# Allegro board RK_EVB1_RK3576_LP4XD200P132SD6_V12_20240530YWQ.brd (continued)
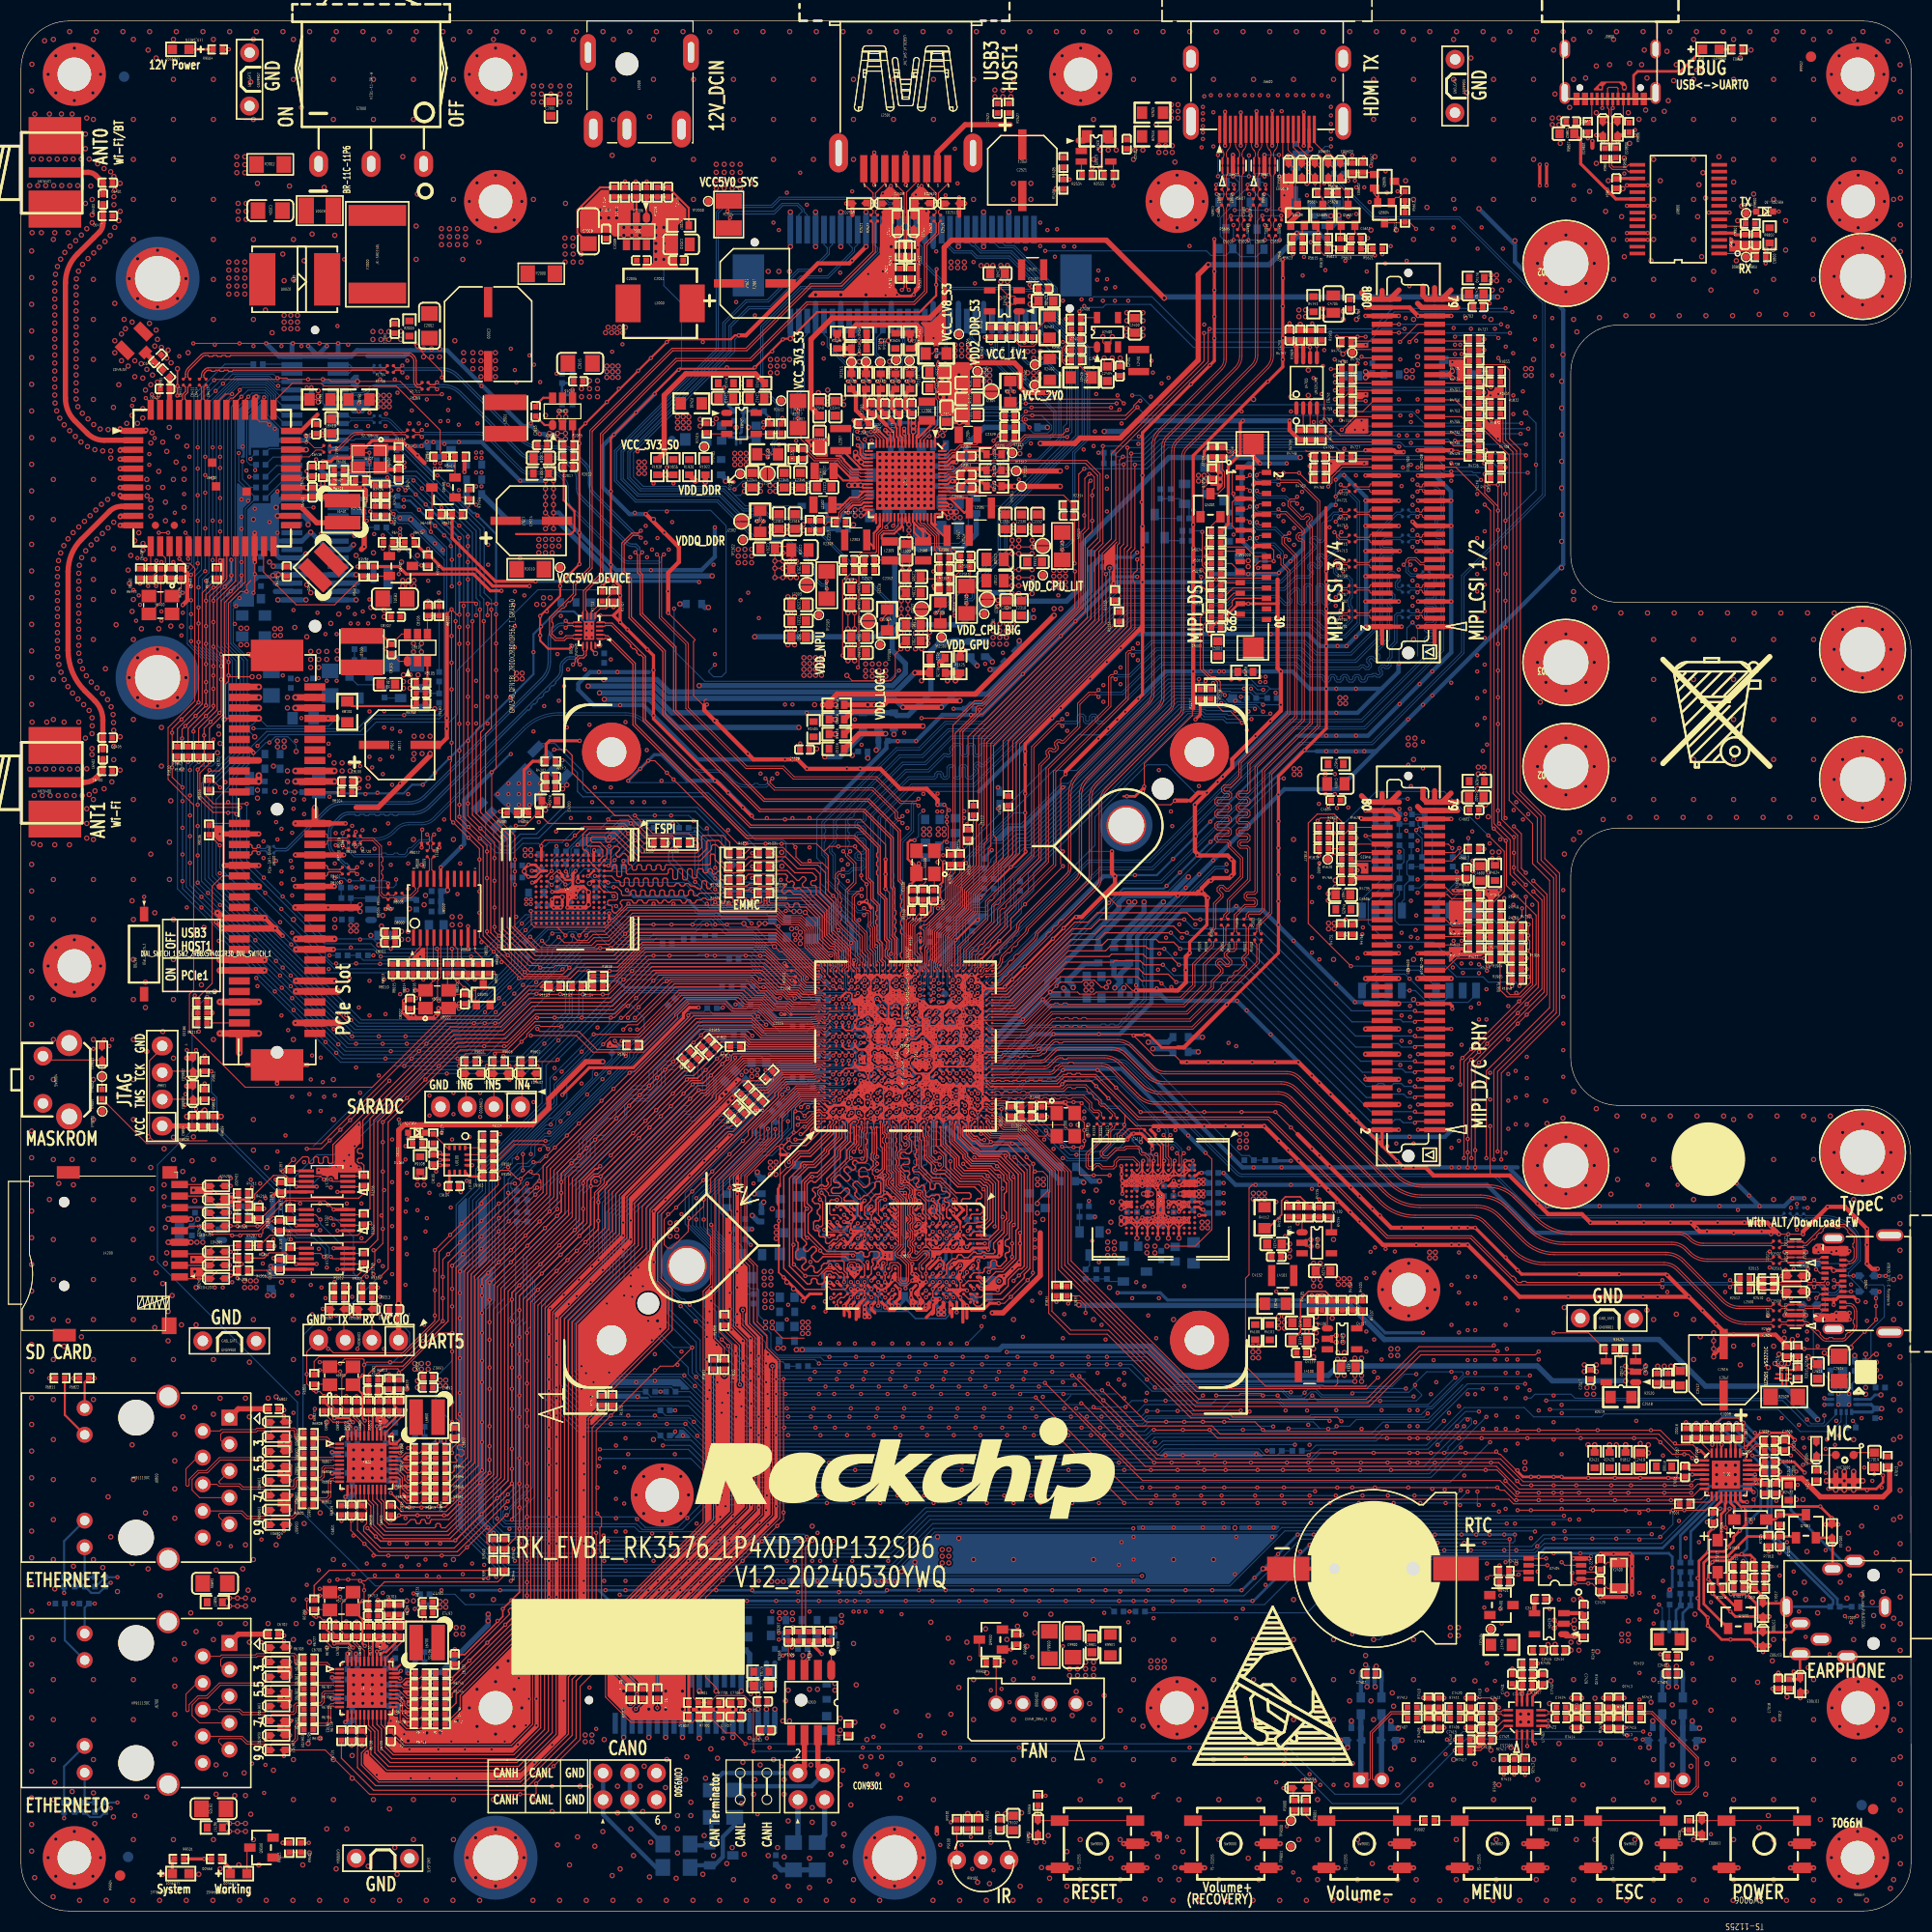
[diagram p0: board, top side]
## Nets (continued)
GND: ANT6400.2(G1) ANT6400.3(G2) ANT6400.4(G3) ANT6400.5(G4) ANT6401.2(G1) ANT6401.3(G2) ANT6401.4(G3) ANT6401.5(G4) ANT6402.2(GND1) ANT6402.3(GND2) C1000.2 C1001.2 C1002.2 C1003.2 C1004.2 C1005.2 C1006.2 C1007.2 C1008.2 C1009.2 C1010.2 C1011.2 C1012.2 C1013.2 C1014.2 C1015.2 C1016.2 C1017.2 C1018.2 C1020.2 C1021.2 C1022.2 C1023.2 C1024.2 C1026.2 C1027.2 C1028.2 C1029.2 C1030.2 C1031.2 C1032.2 C1033.2 C1034.2 C1035.2 C1036.2 C1037.2 C1038.2 C1039.2 C1040.2 C1100.2 C1101.2 C1102.2 C1103.2 C1104.2 C1105.2 C1106.2 C1107.2 C1108.2 C1109.2 C1110.2 C1111.2 C1112.2 C1113.2 C1114.2 C1115.2 C1116.2 C1117.2 C1118.2 C1119.2 C1120.2 C1200.2 C1201.2 C1202.2 C1203.2 C1204.2 C1205.2 C1206.2 C1207.2 C1208.2 C1209.2 C1210.2 C1211.2 C1214.2 C1300.2 C1301.2 C1302.2 C1303.2 C1304.2 C1305.2 C1306.2 C1307.2 C1308.2 C1309.2 C1312.2 C1313.2 C1314.2 C1400.2 C1401.2 C1402.2 C1403.2 C1404.2 C1405.2 C1406.2 C1407.2 C1408.2 C1409.2 C1500.2 C1501.2 C1502.2 C1503.2 C1504.2 C1505.2 C1506.2 C1507.2 C1508.2 C1509.2 C1510.2 C1600.2 C1601.2 C1602.2 C1603.2 C1700.2 C1701.2 C1702.2 C1703.2 C1704.2 C1705.2 C1706.2 C1800.2 C1801.2 C1802.2 C1900.2 C1901.2 C1902.2 C1903.2 C2000.2 C2001.2 C2002.2 C2003.2 C2004.2 C2007.2 C2008.2 C2009.2 C2010.2 C2011.2 C2012.2 C2014.2 C2015.2 C2016.2 C2018.2 C2019.2 C2020.2 C2300.2 C2301.2 C2302.2 C2303.2 C2304.2 C2305.2 C2307.2 C2308.2 C2309.2 C2310.2 C2312.2 C2313.2 C2314.2 C2315.2 C2316.2 C2318.2 C2319.2 C2320.2 C2321.2 C2322.2 C2324.2 C2325.2 C2326.2 C2327.2 C2328.2 C2330.2 C2331.2 C2332.2 C2333.2 C2335.2 C2336.2 C2337.2 C2338.2 C2339.2 C2340.2 C2341.2 C2342.2 C2343.2 C2344.2 C2345.2 C2346.2 C2347.2 C2348.2 C2349.2 C2350.2 C2353.2 C2354.2 C2355.2 C2356.2 C2357.2 C2358.2 C2359.2 C2360.2 C2362.2 C2363.2 C2364.2 C2365.2 C2366.2 C2367.2 C2368.2 C2369.2 C2370.2 C2371.2 C2372.2 C2400.2 C2401.2 C2404.2 C2405.2 C2406.2 C2407.2 C2408.2 C2409.2 C2410.2 C2411.2 C2412.2 C2413.2 C2414.2 C2415.2 C2416.2 C2417.2 C2418.2 C2419.2 C2420.1 C2421.2 C2422.1 C2423.2 C2502.2 C2503.2 C2504.2 C2505.2 C2506.2 C2507.2 C2512.2 C2513.2 C2514.2 C2515.2 C2516.2 C2517.2 C2518.2 C2521.2 C2522.2 C2523.2 C3800.2 C3801.2 C3802.2 C3803.2 C3804.2 C3805.2 C3806.2 C3807.2 C3808.2 C3809.2 C3810.2 C3811.2 C3812.2 C3813.2 C3814.2 C3815.2 C3816.2 C3817.2 C3818.2 C3819.2 C3820.2 C3821.2 C3822.2 C3823.2 C3824.2 C3825.2 C3826.2 C3827.2 C3828.2 C3829.2 C3830.2 C3831.2 C3832.2 C3833.2 C3834.2 C3835.2 C3836.2 C3837.2 C3838.2 C3839.2 C3840.2 C3841.2 C3842.2 C3843.2 C3844.2 C3845.2 C4000.2 C4001.2 C4002.2 C4003.2 C4004.2 C4005.2 C4006.2 C4007.2 C4100.2 C4101.2 C4102.2 C4103.2 C4104.2 C4105.2 C4106.2 C4107.2 C4108.2 C4109.2 C4110.2 C4111.2 C4112.2 C4113.2 C4114.2 C4115.2 C4116.2 C4118.2 C4119.2 C4120.2 C4121.2 C4122.2 C4123.2 C4124.2 C4126.2 C4127.2 C4128.2 C4129.2 C4131.2 C4132.2 C4200.2 C4201.2 C4203.2 C4204.2 C4300.2 C4301.2 C4600.2 C4601.2 C4602.2 C4603.2 C4604.2 C4605.2 C4606.2 C4607.2 C4700.2 C4701.2 C4702.2 C4703.2 C4704.2 C4705.2 C4706.2 C4707.2 C4708.2 C4709.2 C4710.2 C5000.2 C5001.2 C5002.2 C5003.2 C5004.2 C5005.2 C5006.2 C5610.2 C6400.1 C6401.2 C6404.2 C6405.1 C6407.2 C6408.2 C6409.2 C6410.2 C6415.2 C6418.2 C6419.2 C6420.2 C6421.2 C6422.2 C6423.2 C6424.2 C6502.2 C6503.2 C6504.2 C6505.2 C6506.2 C6507.2 C6700.2 C6701.2 C6702.2 C6703.2 C6704.2 C6705.2 C6706.2 C6707.2 C6708.2 C6709.2 C6710.2 C6711.2 C6712.2 C6713.2 C6714.2 C6715.2 C6716.2 C6717.2 C6718.2 C6719.2 C6720.2 C6721.2 C6722.2 C6800.2 C6801.2 C6802.2 C6803.2 C6804.2 C6805.2 C6806.2 C6807.2 C6808.2 C6809.2 C6810.2 C6811.2 C6812.2 C6813.2 C6814.2 C6815.2 C6816.2 C6817.2 C6818.2 C6819.2 C6820.2 C6821.2 C6822.2 C7000.2 C7001.2 C7003.2 C7007.2 C7008.2 C7009.2 C7010.2 C7011.2 C7015.2 C7016.2 C7017.2 C7018.2 C7019.2 C7400.1 C7401.1 C7402.2 C7405.2 C7406.2 C7407.1 C7408.1 C7409.2 C7412.2 C7413.2 C7414.2 C7415.2 C7416.2 C7417.2 C7418.2 C7419.1 C7420.1 C7425.2 C7426.2 C7427.2 C7428.2 C7429.1 C7430.1 C7431.2 C7432.2 C7700.2 C7701.2 C7702.2 C7703.2 C7704.2 C7705.2 C7706.2 C7707.2 C8000.2 C8001.2 C8002.2 C8003.2 C8004.2 C8005.2 C8006.2 C8007.2 C8008.2 C8009.2 C8100.2 C8101.2 C8102.2 C8105.2 C8106.2 C8109.2 C8111.2 C8112.2 C8113.2 C8114.2 C8115.2 C8116.2 C8117.2 C8118.2 C8119.2 C9100.2 C9101.2 C9102.2 C9103.2 C9104.2 C9105.2 C9300.2 C9301.2 C9302.2 C9303.2 C9305.2 C9307.2 C9308.2 C9309.2 C9800.2 C9801.2 C9802.2 C9803.2 C9804.2 C9805.2 C9900.2 C9901.2 CON4600.1(GND1) CON4600.2(GND19) CON4600.7(GND2) CON4600.8(GND18) CON4600.13(GND3) CON4600.14(GND17) CON4600.19(GND4) CON4600.20(GND16) CON4600.25(GND5) CON4600.26(GND15) CON4600.31(GND6) CON4600.32(GND14) CON4600.37(GND7) CON4600.38(GND13) CON4600.43(GND8) CON4600.44(GND12) CON4600.75(GND9) CON4600.76(GND11) CON4600.78(GND10) CON4700.1(GND1) CON4700.2(GND19) CON4700.7(GND2) CON4700.8(GND18) CON4700.13(GND3) CON4700.14(GND17) CON4700.19(GND4) CON4700.20(GND16) CON4700.25(GND5) CON4700.26(GND15) CON4700.31(GND6) CON4700.32(GND14) CON4700.37(GND7) CON4700.38(GND13) CON4700.43(GND8) CON4700.44(GND12) CON4700.75(GND9) CON4700.76(GND11) CON4700.78(GND10) CON5000.1 CON5000.4 CON5000.7 CON5000.10 CON5000.13 CON5000.16 CON5000.27 CON5000.31(GND_31) CON5000.32(GND_32) CON6500.1(GND_1) CON6500.2(GND_2) CON6500.7(GND_3) CON6500.8(GND_4) CON6500.11(GND_5) CON6500.14(GND_6) CON6500.15(GND_7) CON6500.18(GND_8) CON6500.21(GND_9) CON6500.25(GND_10) CON6500.26(GND_11) CON6500.32(GND_12) CON6500.39(GND_13) CON6500.42(GND_14) CON6500.48(GND_15) CON6500.49(GND_16) CON6500.54(GND_17) CON6500.59(GND_18) CON6500.60(GND_19) CON7700.5(GND_0) CON7700.6(GND_1) CON7700.10(GND_2) CON7700.11(GND_3) CON7700.15(GND_4) CON7700.16(GND_5) CON7700.19(GND_6) CON7700.20(GND_7) CON7700.23(GND_8) CON7700.24(GND_9) CON7700.27(GND_10) CON7700.28(GND_11) CON7700.31(GND_12) CON7700.32(GND_13) CON7700.37(GND_14) CON7700.38(GND_15) CON9300.5 CON9300.6 CON9304.4 CON9600.4 CON9700.1(GND1) CON9700.2(GND2) CON9700.7(GND3) CON9700.8(GND4) CON9700.13(GND5) CON9700.14(GND6) CON9700.19(GND7) CON9700.20(GND8) CON9700.25(GND9) CON9700.26(GND10) CON9700.35(GND11) CON9700.36(GND12) CON9700.41(GND13) CON9700.42(GND14) CON9700.47(GND15) CON9700.48(GND16) CON9700.53(GND17) CON9700.54(GND18) CON9700.59(GND19) CON9700.61 CON9700.62 CON9900.1(GND) D2000.1(A) D2300.2(ANODE) D2301.1(A) ED2500.2 ED2501.2 ED2502.2 ED2503.2 ED2504.2 ED2505.3(GND#3) ED2505.8(GND#8) ED2506.2 ED2507.3(GND#3) ED2507.8(GND#8) ED2508.2 ED2509.2 ED2510.2 ED2511.2 ED2512.2 ED2513.2 ED2514.3(K) ED4201.2 ED4202.2 ED4203.2 ED4204.2 ED4205.2 ED4206.2 ED4207.2 ED5600.3(GND#3) ED5600.8(GND#8) ED5601.3(GND#3) ED5601.8(GND#8) ED5602.2 ED5603.2 ED5604.2 ED5605.2 ED5606.2 ED6700.2 ED6701.2 ED6702.2 ED6703.2 ED6704.2 ED6705.2 ED6706.2 ED6707.2 ED6800.2 ED6801.2 ED6802.2 ED6803.2 ED6804.2 ED6805.2 ED6806.2 ED6807.2 ED7000.2 ED7001.2 ED7002.2 ED7003.2 ED7004.2 ED7400.2 ED7401.2 ED7402.2 ED7403.2 ED9000.2 ED9001.2 ED9002.2 ED9003.2 ED9300.3 ED9302.2 ED9303.2 ED9600.2 ED9601.2 ED9602.2 ED9800.2 ED9801.2 ED9802.2 ED9803.2 GND9900.1 GND9900.2 GND9901.1 GND9901.2 GND9902.1 GND9902.2 GND9903.1 GND9903.2 GND9904.1 GND9904.2 H9900.1 H9901.1 H9902.1 H9903.1 H9904.1 H9905.1 H9906.1 H9907.1 H9908.1 H9909.1 H9910.1 H9911.1 H9912.1 H9913.1 H9914.1 IR9100.2 J2000.2 J2000.3 J2000.4 J2000.5 J2400.2 J2500.A1(GND#A1) J2500.A12(GND#A12) J2500.B1(GND#B1) J2500.B12(GND#B12) J2500.H1(HOLE_1) J2500.H2(HOLE_2) J2500.H3(HOLE_3) J2500.H4(HOLE_4) J2501.4(GND1) J2501.7(GND2) J2501.10(G1) J2501.11(G2) J4200.6(VSS) J4200.10(G1) J4200.11(G2) J4200.12(G3) J4200.13(G4) J5600.2(D2_G) J5600.5(D1_G) J5600.8(D0_G) J5600.11(CLK_G) J5600.17(GND) J5600.20(G1) J5600.21(G2) J5600.22(G3) J5600.23(G4) J7000.1(M/G) J7000.5(DETA) J7000.7(G1) J7000.8(G2) J9800.A1(GND_1) J9800.B1(GND_4) J9800.G1(FGND1) J9800.G2(FGND2) J9800.G3(FGND3) J9800.G4(FGND4) J9801.4 J9900.1 J9900.2 J9900.3 J9900.4 J9901.HOLE1 J9901.HOLE2 J9901.HOLE3 J9901.HOLE4 J9902.1 J9902.2 LED9501.2(CATHODE) LED9502.2(CATHODE) MIC7000.2(GND1) MIC7000.3(GND2) Q3801.2(SOURCE) Q4101.2(EMITTER) Q5002.2(EMITTER) Q5600.2(SOURCE) Q5601.2(SOURCE) Q5602.2(SOURCE) Q5603.2(SOURCE) Q5604.2(SOURCE) Q5606.2(SOURCE) Q8000.2(SOURCE) Q8101.2(EMITTER) Q9500.2(EMITTER) R1103.2 R1108.2 R1203.2 R1301.2 R1400.2 R1401.2 R1402.2 R1406.2 R1600.2 R1712.1 R2002.2 R2003.2 R2007.2 R2008.2 R2009.2 R2013.2 R2014.2 R2015.2 R2305.2 R2310.2 R2315.2 R2332.2 R2407.2 R2408.2 R2413.2 R2414.2 R2415.2 R2503.2 R2504.2 R2517.2 R2518.2 R2520.2 R2523.2 R2524.2 R2527.2 R2533.2 R2534.2 R4005.2 R4106.2 R4107.2 R4114.2 R4116.2 R4202.2 R4203.2 R4754.2 R4762.2 R5026.2 R5027.2 R5617.2 R6406.2 R6413.2 R6416.2 R6417.2 R6702.2 R6711.1 R6713.2 R6716.1 R6717.1 R6718.1 R6720.1 R6722.1 R6723.1 R6725.1 R6727.1 R6728.1 R6732.1 R6735.1 R6736.1 R6801.2 R6811.1 R6813.2 R6816.1 R6817.1 R6818.1 R6820.1 R6822.1 R6823.1 R6825.1 R6827.1 R6828.1 R6832.1 R6835.1 R6836.1 R7004.2 R7005.2 R7006.2 R7011.2 R7014.2 R7400.2 R7408.2 R7410.1 R7416.2 R7419.1 R8004.1 R8005.1 R8011.2 R8012.2 R8013.1 R8014.1 R8016.1 R8029.2 R8036.2 R8105.2 R8118.2 R9105.2 R9310.2 R9503.2 R9601.2 R9803.2 R9806.1 R9807.1 R9811.2 S1700.2(A2) SMTSO4600.1 SMTSO4601.1 SMTSO4602.1 SMTSO4603.1 SMTSO4700.1 SMTSO4701.1 SMTSO4702.1 SMTSO4703.1 SMTSO6500.1 SMTSO6501.1 SMTSO7700.1 SMTSO7701.1 SW9000.1 SW9000.4 SW9000.5(G) SW9001.1 SW9001.4 SW9001.5(G) SW9002.1 SW9002.4 SW9002.5(G) SW9003.1 SW9003.4 SW9003.5(G) SW9004.2 SW9004.3 SW9004.4 SW9005.1 SW9005.4 SW9005.5(G) SW9006.1 SW9006.4 SW9006.5(G) TP9001.1 TP9003.1 U1000.1A2(VSS_7) U1000.1A3(VSS_8) U1000.1AA2(VSS_91) U1000.1AA4(VSS_92) U1000.1AA21(VSS_93) U1000.1AA24(VSS_94) U1000.1AB2(VSS_95) U1000.1AB5(VSS_96) U1000.1AB6(VSS_97) U1000.1AB20(AVSS_10) U1000.1AB21(AVSS_11) U1000.1AB22(AVSS_12) U1000.1AB23(AVSS_13) U1000.1AB24(AVSS_14) U1000.1AC1(VSS_98) U1000.1AC2(VSS_99) U1000.1AC3(VSS_100) U1000.1AC4(VSS_101) U1000.1AC5(VSS_102) U1000.1AC20(AVSS_15) U1000.1AC21(AVSS_16) U1000.1AC24(AVSS_17) U1000.1AD3(VSS_103) U1000.1AD20(AVSS_18) U1000.1AD23(AVSS_19) U1000.1AD24(AVSS_20) U1000.1AE3(VSS_104) U1000.1AE4(AVSS_21) U1000.1AE6(AVSS_22) U1000.1AE20(AVSS_23) U1000.1AE21(AVSS_24) U1000.1AE23(AVSS_25) U1000.1B2(VSS_9) U1000.1C2(VSS_10) U1000.1C4(VSS_11) U1000.1C9(VSS_12) U1000.1C13(VSS_13) U1000.1C16(VSS_14) U1000.1C21(VSS_15) U1000.1D1(VSS_16) U1000.1D3(VSS_17) U1000.1D5(VSS_18) U1000.1E2(VSS_19) U1000.1E3(VSS_20) U1000.1E5(VSS_21) U1000.1E6(VSS_22) U1000.1E10(VSS_23) U1000.1E13(VSS_24) U1000.1E16(VSS_25) U1000.1E23(VSS_26) U1000.1E24(VSS_27) U1000.1F3(VSS_28) U1000.1F5(VSS_29) U1000.1F6(VSS_30) U1000.1F20(VSS_31) U1000.1F21(VSS_32) U1000.1F24(VSS_33) U1000.1G3(VSS_34) U1000.1G6(VSS_35) U1000.1G20(VSS_36) U1000.1G21(VSS_37) U1000.1G22(VSS_38) U1000.1G24(VSS_39) U1000.1H1(VSS_40) U1000.1H2(VSS_41) U1000.1H3(VSS_42) U1000.1H4(VSS_43) U1000.1H6(VSS_44) U1000.1H20(VSS_45) U1000.1H21(AVSS1_3) U1000.1H24(AVSS1_4) U1000.1J2(VSS_46) U1000.1J4(VSS_47) U1000.1J21(AVSS1_5) U1000.1J22(AVSS1_6) U1000.1J23(AVSS1_7) U1000.1J24(AVSS1_8) U1000.1K3(VSS_48) U1000.1K6(VSS_49) U1000.1K20(AVSS1_9) U1000.1K21(AVSS1_10) U1000.1K24(AVSS1_11) U1000.1L2(VSS_50) U1000.1L3(VSS_51) U1000.1L4(VSS_52) U1000.1L5(VSS_53) U1000.1L6(VSS_54) U1000.1L20(AVSS1_12) U1000.1L21(AVSS1_13) U1000.1L22(AVSS1_14) U1000.1L24(AVSS1_15) U1000.1M1(VSS_55) U1000.1M2(VSS_56) U1000.1M4(VSS_57) U1000.1M6(VSS_58) U1000.1M20(AVSS1_16) U1000.1M21(AVSS1_17) U1000.1M22(AVSS1_18) U1000.1M24(AVSS1_19) U1000.1N2(VSS_59) U1000.1N4(VSS_60) U1000.1N6(VSS_61) U1000.1N20(AVSS1_20) U1000.1N21(AVSS1_21) U1000.1N24(AVSS1_22) U1000.1P2(VSS_62) U1000.1P3(VSS_63) U1000.1P4(VSS_64) U1000.1P6(VSS_65) U1000.1P20(VSS_66) U1000.1P21(VSS_67) U1000.1P22(VSS_68) U1000.1P24(VSS_69) U1000.1R1(VSS_70) U1000.1R2(VSS_71) U1000.1T3(VSS_72) U1000.1T5(VSS_73) U1000.1T6(VSS_74) U1000.1T20(VSS_75) U1000.1U2(VSS_76) U1000.1U3(VSS_77) U1000.1U4(VSS_78) U1000.1U6(VSS_79) U1000.1V2(VSS_80) U1000.1V6(VSS_81) U1000.1W1(VSS_82) U1000.1W3(VSS_83) U1000.1W5(VSS_84) U1000.1W6(VSS_85) U1000.1Y2(VSS_86) U1000.1Y3(VSS_87) U1000.1Y4(VSS_88) U1000.1Y5(VSS_89) U1000.1Y6(VSS_90) U1000.1Y20(AVSS_9) U1000.2A1(VSS_105) U1000.2A3(VSS_106) U1000.2A6(VSS_107) U1000.2A9(VSS_108) U1000.2A11(VSS_109) U1000.2A12(VSS_110) U1000.2B1(VSS_111) U1000.2B3(VSS_112) U1000.2B4(VSS_113) U1000.2B5(VSS_114) U1000.2B6(VSS_115) U1000.2B7(VSS_116) U1000.2B8(VSS_117) U1000.2B9(VSS_118) U1000.2B11(VSS_119) U1000.2B12(VSS_120) U1000.2C1(VSS_121) U1000.2C6(VSS_122) U1000.2C10(VSS_123) U1000.2C11(VSS_124) U1000.2C12(VSS_125) U1000.2D3(VSS_126) U1000.2D6(VSS_127) U1000.2D9(VSS_128) U1000.2D10(AVSS1_23) U1000.2E3(VSS_129) U1000.2E5(VSS_130) U1000.2E6(VSS_131) U1000.2E8(VSS_132) U1000.2E9(VSS_133) U1000.2E10(AVSS1_24) U1000.2F4(VSS_134) U1000.2F5(VSS_135) U1000.2F6(VSS_136) U1000.2G4(VSS_137) U1000.2G7(VSS_138) U1000.2G10(VSS_139) U1000.2G12(PLL_AVSS) U1000.2H3(VSS_140) U1000.2H5(VSS_141) U1000.2J1(VSS_142) U1000.2J5(VSS_143) U1000.2J8(VSS_144) U1000.2J11(VSS_145) U1000.2J12(VSS_146) U1000.2K1(VSS_147) U1000.2K2(VSS_148) U1000.2K5(VSS_149) U1000.2K8(VSS_150) U1000.2K9(VSS_151) U1000.2K10(VSS_152) U1000.2K12(VSS_153) U1000.2L1(VSS_154) U1000.2L3(VSS_155) U1000.2L4(VSS_156) U1000.2L5(VSS_157) U1000.2L6(VSS_158) U1000.2L7(VSS_159) U1000.2L8(VSS_160) U1000.2L9(VSS_161) U1000.2L12(VSS_162) U1000.2M1(AVSS_26) U1000.2M4(AVSS_27) U1000.2M6(AVSS_28) U1000.2M9(AVSS_29) U1000.2M10(AVSS_30) U1000.2M11(AVSS_31) U1000.2M12(AVSS_32) U1000.2N1(AVSS_33) U1000.2N6(AVSS_34) U1000.2N8(AVSS_35) U1000.2N9(AVSS_36) U1000.2N12(AVSS_37) U1000.2P1(AVSS_38) U1000.2P6(AVSS_39) U1000.2P9(AVSS_40) U1000.2P12(AVSS_41) U1000.2R1(AVSS_42) U1000.2R4(AVSS_43) U1000.2R5(AVSS_44) U1000.2R7(AVSS_45) U1000.2R8(AVSS_46) U1000.2R9(AVSS_47) U1000.2R10(AVSS_48) U1000.2R11(AVSS_49) U1000.2R12(AVSS_50) U1000.2T1(AVSS_51) U1000.2T6(AVSS_52) U1000.2T8(AVSS_53) U1000.2T11(AVSS_54) U1000.2U1(AVSS_55) U1000.2U2(AVSS_56) U1000.2U3(AVSS_57) U1000.2U4(AVSS_58) U1000.2U5(AVSS_59) U1000.2U6(AVSS_60) U1000.2U7(AVSS_61) U1000.2U9(AVSS_62) U1000.2U10(AVSS_63) U1000.2U11(AVSS_64) U1000.2V1(AVSS_65) U1000.2V2(AVSS_66) U1000.2V3(AVSS_67) U1000.2V4(AVSS_68) U1000.2V5(AVSS_69) U1000.2V6(AVSS_70) U1000.2V7(AVSS_71) U1000.2V8(AVSS_72) U1000.2V9(AVSS_73) U1000.2V10(AVSS_74) U1000.2V11(AVSS_75) U1000.2V12(AVSS_76) U1000.A1(VSS_0) U1000.A4(VSS_1) U1000.A29(VSS_2) U1000.AJ29(AVSS_0) U1000.AK6(AVSS_1) U1000.AK14(AVSS_2) U1000.AK25(AVSS_3) U1000.AL1(VSS_6) U1000.AL4(AVSS_4) U1000.AL8(AVSS_5) U1000.AL14(AVSS_6) U1000.AL25(AVSS_7) U1000.AL29(AVSS_8) U1000.B5(VSS_3) U1000.C1(VSS_4) U1000.G29(AVSS1_0) U1000.T28(AVSS1_1) U1000.T29(AVSS1_2) U1000.V28(VSS_5) U1300.5(GND) U1300.9(/OE) U1301.5(GND) U1301.9(/OE) U1302.5(GND) U1302.9(/OE) U1700.18(GND) U1700.19(EPAD) U2000.3(GND) U2001.2(GND) U2300.69(EPAD) U2400.2(GND) U2401.2(GND) U2402.B1(GND) U2403.2(GND) U2404.2(GND) U2405.4(VSS) U2500.8(GND_8) U2500.9(GND_9) U2500.15(EPAD) U2501.C2(GND) U2502.2(GND) U2503.2(GND) U3800.A3(VSS_1) U3800.A10(VSS_2) U3800.AB3(VSS_55) U3800.AB5(VSS_56) U3800.AB8(VSS_57) U3800.AB10(VSS_58) U3800.C1(VSS_3) U3800.C5(VSS_4) U3800.C8(VSS_5) U3800.C12(VSS_6) U3800.D2(VSS_7) U3800.D4(VSS_8) U3800.D9(VSS_9) U3800.D11(VSS_10) U3800.E1(VSS_11) U3800.E5(VSS_12) U3800.E8(VSS_13) U3800.E12(VSS_14) U3800.G1(VSS_15) U3800.G3(VSS_16) U3800.G5(VSS_17) U3800.G8(VSS_18) U3800.G10(VSS_19) U3800.G12(VSS_20) U3800.J1(VSS_21) U3800.J3(VSS_22) U3800.J10(VSS_23) U3800.J12(VSS_24) U3800.K2(VSS_25) U3800.K4(VSS_26) U3800.K9(VSS_27) U3800.K11(VSS_28) U3800.N2(VSS_29) U3800.N4(VSS_30) U3800.N9(VSS_31) U3800.N11(VSS_32) U3800.P1(VSS_33) U3800.P3(VSS_34) U3800.P10(VSS_35) U3800.P12(VSS_36) U3800.T1(VSS_37) U3800.T3(VSS_38) U3800.T5(VSS_39) U3800.T8(VSS_40) U3800.T10(VSS_41) U3800.T12(VSS_42) U3800.V1(VSS_43) U3800.V5(VSS_44) U3800.V8(VSS_45) U3800.V12(VSS_46) U3800.W2(VSS_47) U3800.W4(VSS_48) U3800.W9(VSS_49) U3800.W11(VSS_50) U3800.Y1(VSS_51) U3800.Y5(VSS_52) U3800.Y8(VSS_53) U3800.Y12(VSS_54) U4000.A6(VSS2) U4000.C4(VSS3) U4000.E7(VSS4) U4000.G5(VSS5) U4000.H10(VSS6) U4000.J5(VSS1) U4000.K8(VSSQ1) U4000.N2(VSSQ2) U4000.N5(VSSQ3) U4000.P4(VSSQ4) U4000.P6(VSSQ5) U4100.B2(VSS_1) U4100.B11(VSS_2) U4100.B12(VSS_3) U4100.C1(VSS_4) U4100.C2(VSS_5) U4100.C3(VSS_6) U4100.C11(VSS_7) U4100.C12(VSS_8) U4100.D3(VSS_9) U4100.D12(VSS_10) U4100.D13(VSS_11) U4100.D14(VSS_12) U4100.E1(VSS_13) U4100.E2(VSS_14) U4100.E3(VSS_15) U4100.E12(VSS_16) U4100.F3(VSS_17) U4100.F12(VSS_18) U4100.F13(VSS_19) U4100.F14(VSS_20) U4100.G1(VSS_21) U4100.G2(VSS_22) U4100.G3(VSS_23) U4100.G10(VSS_24) U4100.G12(VSS_25) U4100.H3(VSS_26) U4100.H5(VSS_27) U4100.H10(VSS_28) U4100.H12(VSS_29) U4100.H13(VSS_30) U4100.H14(VSS_31) U4100.J1(VSS_32) U4100.J2(VSS_33) U4100.J3(VSS_34) U4100.J5(VSS_35) U4100.J12(VSS_36) U4100.K3(VSS_37) U4100.K5(VSS_38) U4100.K12(VSS_39) U4100.K13(VSS_40) U4100.K14(VSS_41) U4100.L1(VSS_42) U4100.L2(VSS_43) U4100.L3(VSS_44) U4100.L12(VSS_45) U4100.M3(VSS_46) U4100.M4(VSS_47) U4100.M5(VSS_48) U4100.M12(VSS_49) U4100.M13(VSS_50) U4100.M14(VSS_51) U4100.N2(VSS_52) U4100.N3(VSS_53) U4100.N4(VSS_54) U4100.N5(VSS_55) U4100.N11(VSS_56) U4100.N12(VSS_57) U4100.P4(VSS_58) U4100.P5(VSS_59) U4100.P11(VSS_60) U4100.P12(VSS_61) U4101.2(GND) U4102.2(GND) U4200.2(GND) U4300.4(VSS) U4300.9(EPAD) U4700.1(GND) U6400.1(GND_1) U6400.3(GND_3) U6400.4(GND_4) U6400.5(GND_5) U6400.6(GND_6) U6400.7(GND_7) U6400.8(GND_8) U6400.10(GND_10) U6400.11(GND_11) U6400.23(GND_23) U6400.27(GND_27) U6400.30(GND_30) U6400.32(GND_32) U6400.39(GND_39) U6400.53(GND_53) U6400.54(GND_54) U6400.55(GND_55) U6700.41(E_PAD) U6800.41(E_PAD) U7000.4(DGND) U7000.13(HPGND) U7000.18(AGND) U7000.26(CE) U7000.29(EPAD) U7400.7(GND) U7401.7(GND) U7402.4(AD0) U7402.5(AD1) U7402.6(AD2) U7402.10(GND) U7402.17(EPAD) U8000.9(GNDXD) U8000.16(GNDODA) U8001.2(GND) U8100.1(G1) U8100.2(G2) U8100.A1(PRSNT1#) U8100.A4(GND_A4) U8100.A12(GND_A12) U8100.A15(GND_A15) U8100.A18(GND_A18) U8100.A20(GND_A20) U8100.A23(GND_A23) U8100.A24(GND_A24) U8100.A27(GND_A27) U8100.A28(GND_A28) U8100.A31(GND_A31) U8100.B4(GND_B4) U8100.B7(GND_B7) U8100.B13(GND_B13) U8100.B16(GND_B16) U8100.B18(GND_B18) U8100.B21(GND_B21) U8100.B22(GND_B22) U8100.B25(GND_B25) U8100.B26(GND_B26) U8100.B29(GND_B29) U8100.B32(GND_B32) U8101.2(GND) U9100.6(GND0) U9100.7(RESV) U9300.2(GND) U9800.7(GND1) U9800.18(GND2) U9800.21(GND3) U9800.25(AGND) U9800.26(TEST) Y1100.2(GND#2) Y1100.4(GND#4) Y1300.2(GND#2) Y1300.4(GND#4) Y6400.2(GND#2) Y6400.4(GND#4) Y6401.2(GND) Y6700.2(GND#2) Y6700.4(GND#4) Y6800.2(GND#2) Y6800.4(GND#4) Y8000.2(GND#2) Y8000.4(GND#4)
VBUS: C2512.1 C2516.1 C2518.1 R2509.1 R2519.2 R2520.1 U2501.A2(OUT0) U2501.B2(OUT) U2502.1(VOUT)
VBUS5V0_TYPEC: C2502.1 C2513.1 C2514.1 ED2514.1(A1) ED2514.2(A2) J2500.A4(VBUS#A4) J2500.A9(VBUS#A9) J2500.B4(VBUS#B4) J2500.B9(VBUS#B9) R2509.2 R2515.2 U2500.2(VBUS) U2501.A1(IN0) U2501.B1(IN)
VCC1V2_UFS_VCCQ_S0: C4100.1 C4101.1 C4102.1 C4103.1 R4112.2 U4100.A4(VCCQ_1) U4100.A5(VCCQ_2) U4100.B4(VCCQ_3) U4100.B5(VCCQ_4) U4100.C4(VCCQ_5) U4100.C5(VCCQ_6) U4100.E5(VCCQ_7) U4100.F5(VCCQ_8)
VCC1V2_UFS_VCCQ_S0_P: C4130.1 C4131.1 C4132.1 L4101.2 R4112.1 R4113.1
VCC1V8_EMMC_S0: C4000.1 C4001.1 C4002.1 R4002.1 U4000.C6(VCCQ1) U4000.M4(VCCQ2) U4000.N4(VCCQ3) U4000.P3(VCCQ4) U4000.P5(VCCQ5)
VCC1V8_FSPI_S0: C4300.1 C4301.1 R4304.1 U4300.8(VCC)
VCC1V8_UFS_VCCQ2_S0: C4104.1 C4105.1 C4106.1 C4107.1 C4108.1 R4108.2 U4100.A6(VCCQ2_1) U4100.A7(VCCQ2_2) U4100.B6(VCCQ2_3) U4100.B7(VCCQ2_4) U4100.C6(VCCQ2_5) U4100.C7(VCCQ2_6) U4100.K6(VCCQ2_7) U4100.K7(VCCQ2_8)
VCC1V8_UFS_VCCQ2_S0_P: C4126.1 C4127.1 Q4100.3(DRAIN) R4108.1
VCC3V3_CAN: C9300.1 C9303.1 R9303.2 U9300.5(VIO)
VCC3V3_CLK: C8000.1 C8001.1 C8005.1 C8006.1 R8010.1 R8015.1 R8020.1 R8025.1 R8034.1 U8000.1(VDDXD) U8001.5(OUT)
VCC3V3_EMMC_S0: C4004.1 C4005.1 C4006.1 R4003.1 U4000.E6(VCC1) U4000.F5(VCC2) U4000.J10(VCC3) U4000.K9(VCC4)
VCC3V3_FSUSB_S0: C1312.1 C1313.1 C1314.1 R1355.2 U1300.10(VCC) U1301.10(VCC) U1302.10(VCC)
VCC3V3_FT232_DEBUG: C9804.1 U9800.17(VO-3V3)
VCC3V3_GMA340_S0: C1705.1 C1706.1 R1702.2 R1707.1 U1700.17(VDD)
VCC3V3_LCD_S0: C5005.1 C5006.1 CON5000.19 R5019.2
VCC3V3_PCIE1: C8100.1 C8111.1 C8114.1 C8115.1 R8100.2 R8123.1 U8100.A9(+3.3V_2) U8100.A10(+3.3V_3) U8100.B8(+3.3V_1)
VCC3V3_PCIE1_P: C8104.1 C8105.1 L8100.2 R8100.1 R8101.1
VCC3V3_PCIEWL_VBAT: C6418.1 C6419.1 R6402.2 R6404.2 U6400.36(VBAT)
VCC3V3_PHY0: C6709.1 C6710.1 C6711.1 C6718.1 C6719.1 R6712.1 R6719.2 R6721.2 R6731.2 R6737.2 U6700.11(AVDD33#11) U6700.29(DVDD33) U6700.40(AVDD33#40)
VCC3V3_PHY1: C6809.1 C6810.1 C6811.1 C6818.1 C6819.1 R6812.1 R6819.2 R6821.2 R6831.2 R6837.2 U6800.11(AVDD33#11) U6800.29(DVDD33) U6800.40(AVDD33#40)
VCC3V3_RTC_S5: D2400.2(A2) R2417.2 TP2404.1
VCC3V3_RTC_S5_P: C2415.1 R2417.1 U2404.5(OUT)
VCC3V3_SD_S0: C4201.1 C4203.1 C4204.1 J4200.4(VDD) U4200.1(VOUT)
VCC3V3_SENSOR_S0: C9104.1 C9105.1 R9104.1 R9108.2 R9109.1 U9100.5(AVDDIO) U9100.8(VDD) U9100.12(CS)
VCC3V3AUX_PCIE1: C8116.1 C8119.1 R8123.2 R8124.2 U8100.B10(3.3VAUX)
VCC5V0_DEVICE_S0: C2517.1 C8004.1 R2010.2 R2419.1 R2519.1 R2525.1 R4626.1 R4740.1 R5018.2 R5608.1 R7702.1 R9304.2 TP2001.1 U2502.5(IN) U8001.1(IN)
VCC5V0_DEVICE_S0_P: C2014.1 C2017.1 C2018.1 C2019.1 L2001.2 R2010.1 R2012.1 R2013.1 R9500.1 R9501.1
VCC5V0_HDMI: D5600.1(A) D5601.1(A) Q5608.1(GATE) R5608.2 R5609.2 R5610.1
VCC5V0_SYS_S5: C2300.1 C2301.1 C2312.1 C2313.1 C2324.1 C2325.1 C2335.1 C2336.1 C2342.1 C2343.1 C2359.1 C2361.1 C2362.1 C2400.1 C2401.1 C2414.1 C4116.1 C4129.1 CON9700.6(CH1-) D2300.1(CATHODE) R2004.2 R2324.1 R2418.1 R2528.1 R3810.1 R5609.1 TP2000.1 U2300.1(VCC9) U2300.7(VCC8) U2300.21(VCCA) U2300.22(VCC4) U2300.27(VCC10) U2300.28(VCC6) U2300.33(VCC2_1) U2300.34(VCC2_2) U2300.43(VCC7) U2300.44(VCC5) U2300.52(VCC1_1) U2300.53(VCC1_2) U2300.54(VCC3) U2300.64(VCC12) U2400.4(VIN) U2401.4(VIN) U2404.1(IN) U4101.4(VIN) U4102.4(VIN)
VCC5V0_SYS_S5_P: C2006.1 C2007.1 C2010.1 C2011.1 CON9700.4(CH1+) L2000.2 R2004.1 R2006.1 R2007.1
VCC5V0_USB3_HOST1: C2521.1 C2523.1 J2501.1(VBUS) R1405.2 R2526.2 R2527.1 U2503.1(VOUT)
VCC5V_FT232_DEBUG: C9802.1 C9803.1 J9800.A4(VBUS_1) J9800.B4(VBUS_4) LED9800.1(ANODE) U9800.20(VDD-5V)
VCC5V_HDMI_TX: C5610.1 D5600.2(K) J5600.18(+5V) R5610.2
VCC12_VDCIN: C2001.1 J2000.1 S2000.1(P1)
VCC12V_DCIN: C2008.1 C2009.1 C2015.1 C2016.1 C8101.1 C8102.1 C8109.1 C8110.1 Q8100.2(SOURCE) R2000.2 R2005.1 R2011.1 R4627.2 R4741.2 R6510.1 R8113.1 R9901.1 U2000.4(VIN) U2001.5(VIN) U8101.5(VIN)
VCC12V_DCIN_P: C2000.1 C2002.1 C2003.1 D2000.2(K) F2000.2 R2000.1 R2003.1 R9504.1
VCC12V_PCIE1: C8117.1 C8118.1 R8112.2 U8100.A2(+12V_4) U8100.A3(+12V_5) U8100.B1(+12V_1) U8100.B2(+12V_2) U8100.B3(+12V_3)
VCC12VDC: F2000.1 R2001.1 S2000.2(P2)
VCC_1V1_NLDO_S3: C2364.1 C2371.1 R2400.2 R2402.2 TP2401.1 U2300.9(VCC14) U2300.13(VCC13)
VCC_1V1_NLDO_S3_P: C2402.1 C2406.1 C2407.1 L2401.2 R2402.1 R2403.1
VCC_1V8_S0: R1346.2 R1837.2 R1923.2 R1937.2 R2409.2 R2420.1 R2429.1 R4002.2 R4304.2 R4624.1 R4738.1 R4748.1 R4758.1 R4768.1 R5024.1 R6414.1 R6415.1 R6730.1 R6830.1 TP2402.1
VCC_1V8_S0_P: C2411.1 R2409.1 U2402.A1(VOUT)
VCC_1V8_S3: C2410.1 C3820.1 C4124.1 C4125.1 CON9700.39(CH12-) Q4100.2(SOURCE) R1125.2 R1410.2 R2316.1 R2427.1 R3806.2 R4109.1 TP2306.1 U2402.A2(IN)
VCC_1V8_S3_P: C2337.1 C2338.1 CON9700.37(CH12+) L2306.1 R2316.2 U2300.5(VOUT8)
VCC_2V0_PLDO_P: C2403.1 C2404.1 C2405.1 L2400.2 R2401.1 R2404.1
VCC_2V0_PLDO_S3: C2354.1 R2400.1 R2401.2 TP2400.1 U2300.59(VCC11)
VCC_3V3_S0: Q9900.1(GATE) R1355.1 R1412.2 R1702.1 R1836.2 R1922.2 R1936.2 R2016.1 R2410.2 R2416.1 R2421.1 R2514.2 R4003.2 R4100.1 R4105.1 R4115.1 R4625.2 R4739.2 R6404.1 R6512.2 R6733.1 R6737.1 R6834.1 R6837.1 R7703.2 R8110.1 R9108.1 R9300.2 R9809.1 R9902.1 TP2403.1
VCC_3V3_S0_P: C2413.1 R2410.1 U2403.1(VOUT)
VCC_3V3_S3: C2412.1 C2505.1 C4200.1 C5002.1 C5007.1 CON9700.5(CH0-) Q5000.2(SOURCE) R1141.2 R1411.2 R1838.2 R2317.2 R2501.1 R5020.1 R6402.1 R6511.2 R8124.1 R9102.2 TP2307.1 U2403.5(IN) U2500.3(VDD_3) U2500.4(VDD_4) U4200.5(IN)
VCC_3V3_S3_P: C2339.1 C2340.1 C2341.1 CON9700.3(CH0+) L2307.2 R2317.1 R9802.1 U2300.24(VOUT4)
VCC_CAN: C9301.1 C9302.1 R9300.1 R9304.1 U9300.3(VCC)
VCC_IR: C9101.1 C9102.1 IR9100.3 R9102.1
VCC_JTAG: C9805.1 J9801.1 R9808.2 R9809.2
VCC_RTC: C2421.1 D2400.3(K) U2405.8(VDD)
VCC_SPK_AMP: C2418.1 C7402.1 C7409.1 R2419.2 U7400.6(VDD) U7401.6(VDD)
VCC_UFS_S0: C4111.1 C4112.1 C4113.1 C4114.1 C4115.1 C4120.1 R4102.2 U4100.B8(VCC_1) U4100.B9(VCC_2) U4100.C8(VCC_3) U4100.C9(VCC_4) U4100.E8(VCC_5) U4100.K8(VCC_6) U4100.N8(VCC_7) U4100.N9(VCC_8) U4100.P8(VCC_9) U4100.P9(VCC_10)
VCCA1V8_PLDO2_S0: C2355.1 R1147.2 U2300.58(PLDO2)
VCCA1V8_PLDO6_S3: C2357.1 R1124.1 R1126.2 R3812.2 U2300.20(VCCIO)
VCCA3V3_CLK: C8007.1 C8008.1 R8034.2 U8000.15(VDDODA)
VCCA3V3_CODEC: C7000.1 C7001.1 R2422.2 R7008.2 R7013.1 U7000.16(HPVDD) U7000.17(AVDD)
VCCA_1V8_S0: CON9700.57(CH18-) R1119.1 R1136.1 R1202.1 R1323.2 R1324.2 R1404.2 R1409.2 R1501.2 R1506.2 R1507.2 R1602.2 R1701.2 R2322.2 R2411.1 R2412.1 TP2310.1
VCCA_1V8_S0_P: C2353.1 CON9700.55(CH18+) R2322.1 U2300.60(PLDO1)
VCCA_3V3_S0: R2326.2 R2422.1
VCCA_3V3_S0_P: C2358.1 R2326.1 U2300.63(PLDO4)
VCCIO0_1V8: C1308.1 R1346.1 R4000.1 R4001.1 R4006.1 R4300.1 R4301.1 R4302.1 U1000.1J20(VCCIO0_VCC1V8)